# KiCad board Latest-Full-Backplane.kicad_pcb (continued)
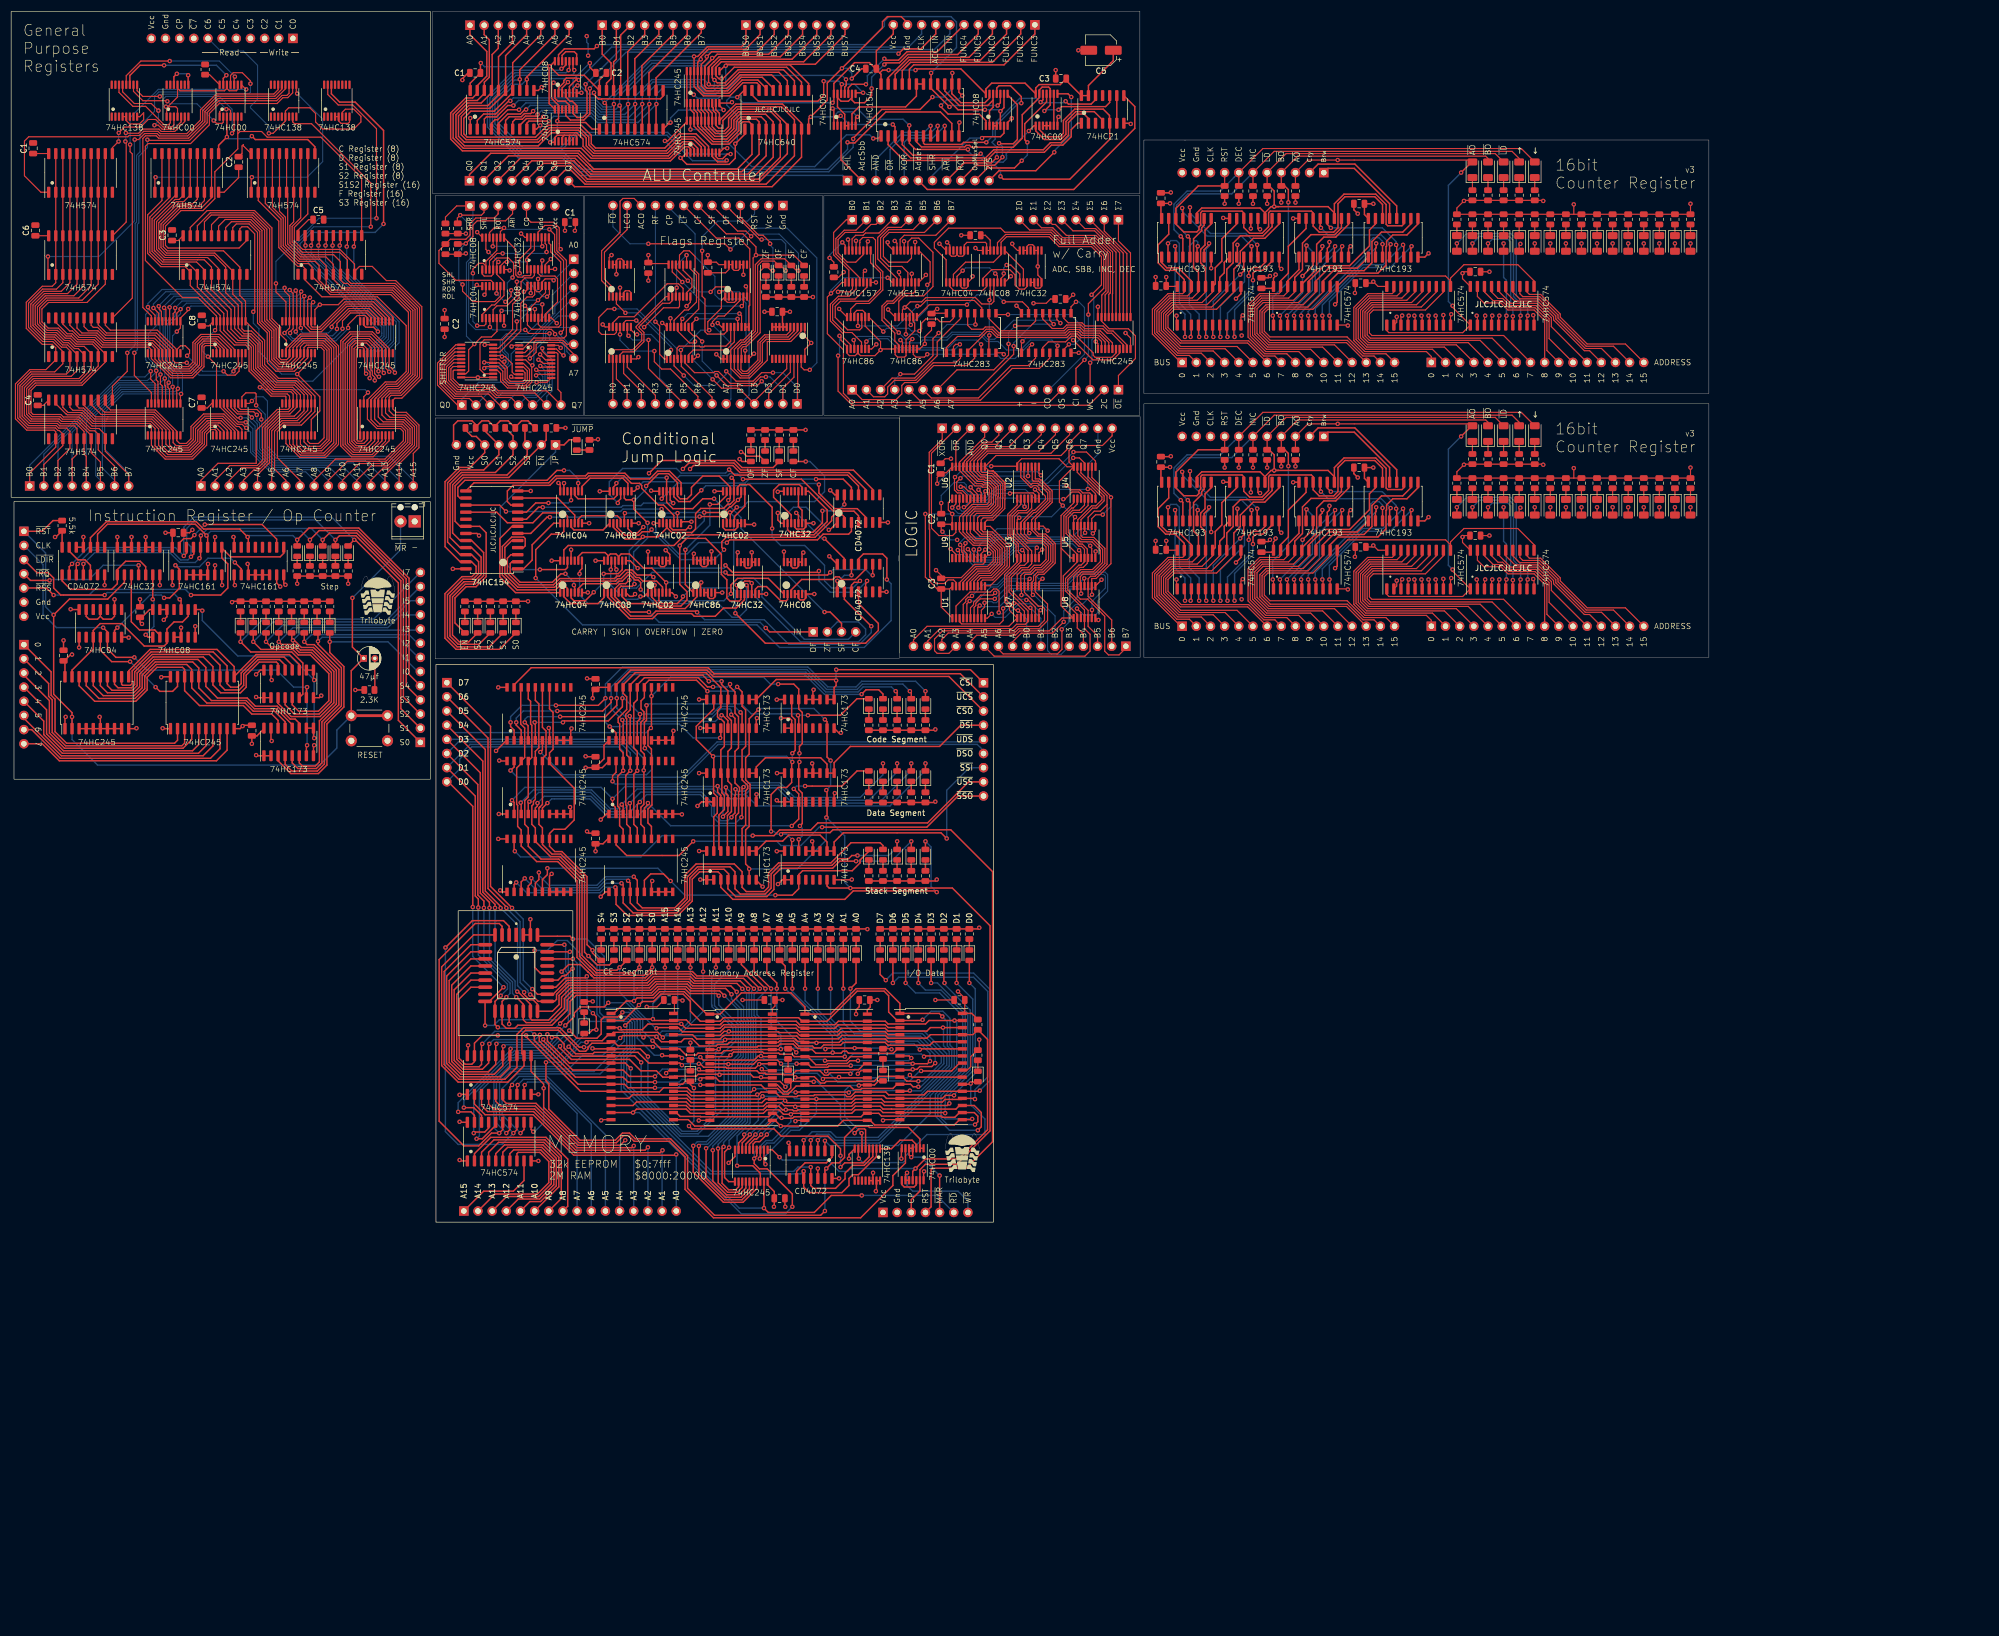
[diagram p0: board, top side]
## Routing (per net, layer and track width the routed paths; a pad name or vN(x,y) marks a point on that pad's centre or on a via; arc(x,y) is an arc through that point) (continued)
/!ARITHMETIC: length 23.3
  Top w0.2: v1(82.83,170.15) 82.83,170.92 83.85,171.93 84.69,171.93 85.16,171.46 U1#5.2 85.16,172.28 87.11,174.23 U1#5.10 ; U2#3.2 85.16,161.05 84.86,160.76 v1(83.59,160.76)
  Bottom w0.2: v1(83.59,160.76) 82.83,161.52 v1(82.83,170.15)
/ADDR0: length 150.6
  Top w0.25: v1(133.27,23.84) 132.77,23.33 U5#3.12 122,23.33 121.24,24.09 117.02,24.09 116.29,23.37 107.7,23.37 107.61,23.46 102.16,23.46 92.38,33.24 v1(92.38,33.49) ; U11.11 82.47,42.13 80.37,40.02 80.37,29.38 81.43,28.31 82.63,28.31 83.11,28.79 83.11,32.09 84.51,33.49 v1(87.3,33.49) ; v1(140.72,23.27) 140.77,23.33 U6#8.12 150.16,23.33 v1(150.26,23.23) ; D33.2 151.56,42.89 v1(150.55,41.87) ; 159.42,23.46 161.09,23.46 v1(161.21,23.58)
  Bottom w0.25: v1(133.27,23.84) 133.35,23.91 135.23,23.91 135.87,23.27 v1(140.72,23.27) ; v1(92.38,33.49) v1(87.3,33.49) ; v1(150.26,23.23) 150.61,23.59 161.21,23.59 v1(161.21,23.58) 161.25,23.55 163.21,23.55 167.82,28.16 167.82,30.19 163.75,34.25 152.32,34.25 150.55,36.03 v1(150.55,41.87)
/ADDR1: length 152.8
  Top w0.25: v1(115.49,24.09) 110.67,24.09 110.03,24.73 U4.11 101.7,24.73 93.85,32.58 v1(93.85,33.63) ; v1(84.51,31.97) 84.38,31.84 U9#4.18 84.38,28.28 83.96,27.86 81.25,27.86 79.92,29.19 79.92,40.84 82.47,43.4 U11.10 ; v1(162.74,24.27) 161.8,24.27 161.34,24.73 U7#8.11 158.92,24.73 158.17,23.98 152.57,23.98 152.37,23.78 151.11,23.78 150.45,24.44 142.54,24.44 U6#8.11 142.19,24.4 140.82,24.4 139.38,22.96 138.47,22.96 137.45,23.98 135.13,23.98 134.51,24.6 U5#3.11 123.64,24.6 v1(123.62,24.62) ; D32.2 v1(149.28,41.87)
  Bottom w0.25: v1(123.62,24.62) 123.38,24.85 120.32,24.85 119.56,24.09 v1(115.49,24.09) ; v1(93.85,33.63) 93.27,34.21 86.75,34.21 v1(84.51,31.97) ; v1(149.28,41.87) 149.28,35.78 151.25,33.8 163.44,33.8 167.31,29.93 167.31,28.41 163.17,24.27 v1(162.74,24.27)
/ADDR2: length 155
  Top w0.25: v1(162.74,25.27) 160.65,25.27 159.92,26 U7#8.10 159.27,26.15 155.7,26.15 154.78,25.23 146.2,25.23 145.91,24.94 145.22,24.94 144.07,26.09 142.6,26.09 U6#8.10 140.77,25.87 v1(140.67,25.97) ; v1(138.89,24.26) 137.93,25.22 127.06,25.22 126.42,25.87 U5#3.10 123.88,25.87 v1(123.62,25.62) ; v1(94.85,33.58) 94.73,33.47 94.73,32.49 101.23,26 U4.10 109.78,26 110.67,25.11 v1(115.49,25.11) ; D31.2 v1(146.99,41.87) ; U11.9 82.47,44.67 79.47,41.66 79.47,29 81.06,27.41 84.53,27.41 85.65,28.54 U9#4.17 85.65,31.84 v1(85.78,31.97)
  Bottom w0.25: v1(115.49,25.11) 119.81,25.11 120.32,25.62 v1(123.62,25.62) ; v1(138.89,24.26) 140.6,25.97 v1(140.67,25.97) ; v1(162.74,25.27) 163.54,25.27 166.86,28.6 166.86,29.62 163.13,33.35 150.18,33.35 146.99,36.54 v1(146.99,41.87) ; v1(94.85,33.58) 94,32.73 86.54,32.73 v1(85.78,31.97)
/ADDR3: length 155.7
  Top w0.25: v1(87.05,31.97) 86.92,31.84 U9#4.16 86.92,28.28 85.6,26.96 80.87,26.96 79.02,28.82 79.02,42.48 82.47,45.94 U11.8 ; v1(115.49,26.12) 110.91,26.12 109.76,27.28 U4.9 100.73,27.28 95.46,32.55 v1(95.46,32.79) ; U7#8.9 161.6,27.28 v1(161.72,27.39) 162.48,27.39 162.99,27.9 165.14,27.9 v1(165.76,28.52) ; v1(123.37,27.39) 123.61,27.15 U5#3.9 133.77,27.15 134.21,26.71 135.2,26.71 135.42,26.49 138.61,26.49 138.68,26.42 140.1,26.42 140.83,27.15 U6#8.9 145.07,27.15 145.88,26.33 146.49,26.33 146.96,26.8 150.35,26.8 v1(150.55,26.61) ; D30.2 v1(144.7,41.87)
  Bottom w0.25: v1(150.55,26.61) 151.33,27.39 v1(161.72,27.39) ; v1(144.7,41.87) 144.7,38.06 149.86,32.9 162.82,32.9 165.76,29.96 v1(165.76,28.52) ; v1(123.37,27.39) 117.85,27.39 117.79,27.45 116.82,27.45 v1(115.49,26.12) ; v1(95.46,32.79) 94.93,32.26 87.34,32.26 v1(87.05,31.97)
/ADDR4: length 178.6
  Top w0.25: v1(138.1,28.41) 137.45,29.06 133.9,29.06 133.17,28.33 v1(128.66,28.33) 128.59,28.4 U5#3.8 ; v1(164.82,28.88) 164.36,28.41 v1(161.72,28.41) 161.6,28.53 U7#8.8 ; U11.7 82.47,47.21 78.57,43.3 78.57,28.63 80.69,26.52 86.68,26.52 88.19,28.03 U9#4.15 88.19,31.41 v1(88.32,31.53) ; v1(140.89,28.41) 140.9,28.4 U6#8.8 142.88,28.4 143.5,27.78 146.47,27.78 146.69,28 150.53,28 v1(150.61,28.07) ; v1(96.18,33.69) 96.18,32.48 100.14,28.53 U4.8 110.18,28.53 v1(111.14,27.56) ; D29.2 v1(142.42,41.87)
  Bottom w0.25: v1(150.61,28.07) 150.65,28.12 161.43,28.12 v1(161.72,28.41) ; v1(140.89,28.41) v1(138.1,28.41) ; v1(128.66,28.33) 128.66,18.99 125.07,15.4 120,15.4 111.12,24.28 111.12,27.54 v1(111.14,27.56) ; v1(88.32,31.53) 88.59,31.81 95.65,31.81 96.22,32.38 96.22,33.65 v1(96.18,33.69) ; v1(142.42,41.87) 142.42,39.71 149.68,32.45 162.63,32.45 164.82,30.26 v1(164.82,28.88)
/ADDR5: length 171.4
  Top w0.25: v1(149.53,29.68) U6#8.7 ; U6#8.7 142.88,29.68 144.33,28.23 146.29,28.23 146.5,28.45 149.96,28.45 150.47,28.96 v1(151.91,28.96) ; U6#8.7 140.49,29.68 140.06,30.11 137.88,30.11 137.69,30.3 135,30.3 134.81,30.5 134.2,30.5 129.59,30.5 v1(129.03,29.95) 128.77,29.68 U5#3.7 ; U11.6 82.47,48.48 78.12,44.13 78.12,28.44 80.5,26.07 87.75,26.07 89.46,27.78 U9#4.14 89.46,30.95 v1(89.59,31.08) ; v1(113.01,28.65) 111.85,29.81 U4.7 107.55,29.75 100.69,29.75 99.19,31.25 99.19,31.95 98.02,33.12 v1(97,33.12) ; v1(161.47,29.43) 161.09,29.81 U7#8.7 ; D28.2 v1(140.13,41.87)
  Bottom w0.25: v1(129.03,29.95) 127.88,28.8 127.88,20.48 123.25,15.85 120.18,15.85 113.01,23.02 v1(113.01,28.65) ; v1(161.47,29.43) 161,28.96 v1(151.91,28.96) ; v1(89.59,31.08) 89.86,31.36 95.84,31.36 96.67,32.2 97,32.53 v1(97,33.12) ; v1(140.13,41.87) 140.13,41.36 149.53,31.96 v1(149.53,29.68)
/ADDR6: length 164.4
  Top w0.25: U5#3.6 126.84,30.95 v1(126.92,31.03) 127.3,31.4 133.83,31.4 134,31.57 137.59,31.57 137.95,31.94 140.28,31.94 140.7,31.52 140.71,31.52 141.1,31.12 142.21,31.12 U6#8.6 143.69,30.95 144.33,30.3 148.88,30.3 149.23,30.66 149.83,30.66 150.18,30.3 155.66,30.3 155.7,30.26 158.2,30.26 159.02,31.08 159.42,31.08 ; D27.2 138.86,45.91 v1(138.86,41.87) ; U11.5 82.47,49.75 77.67,44.95 77.67,28.26 80.32,25.62 88.57,25.62 90.73,27.78 U9#4.13 90.73,33.68 91.92,34.86 98.25,34.86 98.27,34.85 98.44,34.85 101.91,31.37 v1(102.75,31.37) ; v1(114.23,29.68) 112.84,31.08 104.36,31.08 v1(104.29,31.15)
  Bottom w0.25: v1(126.92,31.03) 126.35,30.45 126.35,19.58 123.06,16.3 120.37,16.3 114.23,22.44 v1(114.23,29.68) ; v1(147.37,30.4) 147.3,30.47 147.3,33.43 v1(138.86,41.87) ; v1(104.29,31.15) 104.07,31.37 v1(102.75,31.37)
/ADDR7: length 148.3
  Top w0.25: v1(115.11,31.42) 114.87,31.66 108.8,31.66 108.11,32.35 U4.5 107.34,32.08 104.18,32.08 103.47,31.37 103.47,31.07 103.05,30.65 101.94,30.65 98.19,34.4 98.08,34.4 98.06,34.41 92.28,34.41 91.62,33.75 91.62,30.22 U9#4.12 92,28.03 89.08,25.11 80.19,25.11 77.22,28.07 77.22,45.77 82.97,51.51 U11.4 ; U7#8.5 157.3,32.35 156.8,32.84 149.14,32.84 148.51,32.22 U6#8.5 142.19,32.42 141.07,32.42 140.81,32.68 140.81,32.69 140.57,32.92 137.66,32.92 137.58,32.84 128.23,32.84 v1(128.07,32.69) 127.68,32.3 125.42,32.3 U5#3.5 ; v1(137.34,41.87) 137.34,42.89 135.56,44.67 D26.2
  Bottom w0.25: v1(144.45,32.14) 141.23,32.14 137.34,36.03 v1(137.34,41.87) ; v1(128.07,32.69) 126,32.69 124.73,31.42 v1(115.11,31.42)
/ADDR8: length 149.7
  Top w0.25: v1(136.32,41.87) 133.27,44.92 D25.2 ; v1(138.07,31.03) 137.99,30.95 U5#3.27 136.54,30.95 134.02,30.95 129.4,30.95 129.2,30.75 127.87,30.75 127.42,30.3 123.22,30.3 122.9,29.98 121.04,29.98 119.94,31.08 116.5,31.08 v1(115.05,32.53) ; v1(107.11,39.33) 106.38,38.6 102.11,38.6 101.02,37.51 101.02,36.88 v1(99.42,35.28) ; 170.62,31.08 163.12,31.08 v1(162.99,30.95) ; 83.11,17.9 83.11,19.14 82.47,19.77 v1(80.19,19.77) ; U6#8.27 153.33,31.2 v1(151.31,31.2) 146.23,31.2 v1(146.05,31.03) ; v1(99.24,49.75) U11.29
  Bottom w0.25: v1(151.31,31.2) 157.02,31.2 157.79,31.97 161.98,31.97 v1(162.99,30.95) ; v1(146.05,31.03) 145.88,31.2 138.35,31.2 138.18,31.03 v1(138.07,31.03) 138.07,33.52 136.32,35.27 v1(136.32,41.87) ; v1(107.11,39.33) 110.37,39.33 113.29,36.42 113.29,34.29 v1(115.05,32.53) ; v1(99.24,49.75) 99.45,49.53 99.45,45.02 99.94,44.53 99.94,35.8 v1(99.42,35.28) 97.9,33.77 97.9,32.79 95.89,30.77 90.3,30.77 89.89,30.36 89.12,30.36 80.19,21.43 v1(80.19,19.77)
/ADDR9: length 160.2
  Top w0.25: v1(109.65,37.62) 108.82,36.78 106.34,36.78 105.84,36.28 105.84,33.74 105.08,32.98 101.48,32.98 v1(100.12,34.35) ; U6#8.26 150.55,29.68 149.83,28.96 v1(145.99,28.96) ; v1(116.76,29.93) 116.89,29.81 U4.26 119.94,29.81 v1(120.32,29.43) ; v1(163.75,29.68) 163.88,29.81 U7#8.26 ; U11.28 v1(100.22,48.48) ; v1(81.2,20.54) 82.98,20.54 84.38,19.14 U10#3.18 ; v1(135.3,41.87) 130.99,46.18 D24.2 ; v1(123.62,29.58) 124.15,29.06 133.26,29.06 133.98,29.78 v1(134.5,29.78) 134.6,29.68 U5#3.26
  Bottom w0.25: v1(100.22,48.48) 99.94,48.2 99.94,45.17 100.39,44.72 100.39,34.62 v1(100.12,34.35) 100.12,34.33 96.12,30.33 90.49,30.33 90.08,29.91 89.3,29.91 81.2,21.81 v1(81.2,20.54) ; v1(109.65,37.62) 110.81,37.62 112.3,36.13 112.3,33 115.37,29.93 v1(116.76,29.93) ; v1(135.3,41.87) 135.3,41.36 133.78,39.84 133.78,37.18 134.5,36.46 v1(134.5,29.78) 135.11,29.17 145.77,29.17 v1(145.99,28.96) 149.83,28.96 151.03,30.15 163.28,30.15 v1(163.75,29.68) ; v1(123.62,29.58) 123.43,29.39 120.35,29.39 v1(120.32,29.43)
/ADDR10: length 158.4
  Top w0.25: U5#3.23 134.63,25.87 v1(134.51,25.99) 133.16,25.99 132.63,26.53 123.25,26.53 122.9,26.17 118.98,26.17 U4.23 116.89,26 115.75,27.14 112.95,27.14 110.92,29.17 100.51,29.17 98.46,31.22 v1(98.46,31.56) ; v1(82.98,15.96) 83.18,16.16 84.95,16.16 85.65,16.86 U10#3.17 ; U6#8.23 145.82,25.87 v1(145.61,25.66) ; U7#8.23 161.6,26 v1(161.22,26.38) ; D23.2 v1(128.7,45.68) ; v1(100.7,45.43) 99.52,44.26 99.34,44.26 99.24,44.16 98.85,44.16 98.09,43.4 U11.24
  Bottom w0.25: v1(127.07,26.43) 126.92,26.57 126.92,29.43 129.97,32.47 129.97,35.01 126.16,38.82 126.16,42.63 128.7,45.17 v1(128.7,45.68) ; v1(161.22,26.38) 160.71,25.87 148.64,25.87 v1(148.5,26.01) ; v1(134.51,25.99) 135.21,26.69 144.58,26.69 v1(145.61,25.66) ; v1(100.7,45.43) 100.84,45.29 100.84,33.94 v1(98.46,31.56) 96.78,29.88 90.68,29.88 90.26,29.46 89.49,29.46 82.98,22.95 v1(82.98,15.96)
/ADDR11: length 165.1
  Top w0.25: v1(120.32,28.16) 119.95,28.53 U4.25 114.36,28.53 112.45,30.44 104.6,30.44 104.36,30.2 101.26,30.2 v1(100,31.46) ; v1(123.37,28.39) 123.6,28.39 124.22,27.78 128.19,27.78 128.36,27.61 133.47,27.61 v1(134.2,28.33) 134.26,28.4 U5#3.25 ; D22#2.2 v1(126.42,45.68) ; U11.27 v1(100.76,47.21) ; v1(146.19,27.06) 146.46,27.33 152.01,27.33 153.08,28.4 U6#8.25 ; v1(83.49,14.95) 84.5,14.95 86.92,17.36 U10#3.16 ; U7#8.25 170.12,28.53 168.71,27.11 v1(163.23,27.11)
  Bottom w0.25: v1(163.23,27.11) 162.97,27.11 161.19,25.32 152.47,25.32 152.37,25.42 151.77,25.42 151.49,25.15 148.29,25.15 146.37,27.06 v1(146.19,27.06) 145.97,27.27 135.84,27.27 134.78,28.33 v1(134.2,28.33) ; v1(100.76,47.21) 101.57,46.4 101.57,33.15 97.84,29.43 90.86,29.43 90.45,29.01 89.68,29.01 84,23.33 84,15.46 v1(83.49,14.95) ; v1(126.42,45.68) 126.42,44.67 125.65,43.9 125.65,38.95 125.71,38.89 125.71,38.64 129.46,34.89 129.46,32.73 128.7,31.97 125.91,31.97 124.89,30.95 124.89,29.43 123.86,28.39 v1(123.37,28.39) 123.35,28.41 120.57,28.41 v1(120.32,28.16)
/ADDR12: length 170.5
  Top w0.25: U11.3 88.06,53.05 87.55,53.56 83.24,53.56 76.77,47.09 76.77,18.11 81.2,13.68 83.87,13.68 86.16,15.96 v1(87.55,15.96) 88.19,16.6 U10#3.15 ; D21#3.2 v1(124.13,44.92) ; 159.42,33.62 157.3,33.62 156.79,34.14 148.91,34.14 148.26,33.49 U6#8.4 141.44,33.49 140.94,34 137.78,34 137.66,34.11 128.84,34.11 v1(128.74,34.21) 127.9,34.21 127.18,33.49 U5#3.4 ; v1(116.9,33.11) 115.98,34.04 108.03,34.04 107.61,33.62 107.11,33.62 106.02,32.53 103.49,32.53 v1(103.21,32.26)
  Bottom w0.25: v1(87.55,15.96) 86.6,16.92 86.6,25.3 89.22,27.92 98.39,27.92 101.39,30.92 101.39,31.42 102.22,32.26 v1(103.21,32.26) ; v1(128.74,34.21) 127.94,33.42 117.21,33.42 v1(116.9,33.11) 117.53,33.74 120.07,33.74 124.13,37.81 v1(124.13,44.92)
/ADDR13: length 153.5
  Top w0.25: U7#8.28 165.41,32.35 164.78,31.72 157.29,31.72 156.79,32.22 U6#8.28 149.28,32.22 148.83,31.77 145.77,31.77 145.24,31.24 144.07,31.24 143.74,31.57 141.29,31.57 140.89,31.97 140.89,31.97 140.38,32.47 137.85,32.47 137.59,32.22 U5#3.28 128.8,32.22 128.43,31.85 126.72,31.85 126.47,31.6 123.45,31.6 122.14,32.91 120.75,32.91 120.19,32.35 U4.28 116.65,32.35 115.54,33.45 109.68,33.45 v1(109.26,33.03) ; v1(88.82,15.96) 89.46,16.6 U10#3.14 ; U11.30 94.65,51.27 100.25,51.27 v1(100.76,50.76) ; D20.2 v1(121.84,45.66)
  Bottom w0.25: v1(121.84,45.66) 121.84,36.16 119.94,34.25 116.76,34.25 v1(115.75,33.24) ; v1(88.82,15.96) 87.05,17.74 87.05,25.11 89.41,27.47 100.02,27.47 102.48,29.93 106.16,29.93 v1(109.26,33.03) ; v1(113.42,33.13) 112.84,33.72 112.84,36.23 110.73,38.34 106.82,38.34 106.39,38.78 106.39,47.69 103.31,50.76 v1(100.76,50.76)
/ADDR14: length 168.2
  Top w0.25: U4.3 109.02,34.89 v1(109.14,34.76) 109.4,34.51 113.21,34.51 114.22,35.52 120.18,35.52 v1(120.2,35.54) 120.99,34.76 U5#3.3 127.18,34.76 127.55,35.13 127.55,35.13 127.82,35.41 140.8,35.41 141.31,34.9 142.24,34.9 U6#8.3 147.75,34.76 148.38,35.38 156.81,35.38 157.31,34.89 U7#8.3 ; v1(90.09,15.96) 90.73,16.6 U10#3.13 ; U11.2 89.33,53.05 88.32,54.06 82.73,54.06 v1(77.9,49.24) ; D19.2 v1(119.56,45.66)
  Bottom w0.25: v1(109.14,34.76) 109.14,34.71 109.98,33.87 109.98,32.45 104.56,27.02 89.6,27.02 87.61,25.04 87.61,18.45 v1(90.09,15.96) 88.06,13.93 80.19,13.93 77.9,16.22 v1(77.9,49.24) ; v1(119.56,45.66) 119.56,36.19 v1(120.2,35.54)
/ADDR15: length 157.4
  Top w0.25: v1(117.27,45.66) 117.28,45.67 D18#3.2 ; U2#2.2 v1(145.97,14.59) ; v1(91.36,15.96) 92,16.6 U10#3.12 ; U7#8.31 v1(169.22,36.16) 164.64,36.16 164.02,35.53 157.3,35.53 156.8,36.03 U6#8.31 148.39,36.03 147.76,35.41 141.44,35.41 140.81,36.03 U5#3.31 127.81,36.03 127.36,35.58 127.36,35.58 127.19,35.41 121.97,35.41 121.11,36.27 118.92,36.27 U4.31 115.37,36.16 v1(115.12,36.41) 111.3,36.41 v1(110.16,35.27)
  Bottom w0.25: v1(115.12,36.41) 115.12,39.21 117.27,41.36 v1(117.27,45.66) ; v1(110.16,35.27) 110.43,35 110.43,31.35 105.65,26.57 90.67,26.57 88.06,23.97 88.06,19.27 v1(91.36,15.96) ; v1(169.22,36.16) 169.62,35.76 169.62,27.41 164.85,22.64 164.85,19.47 159.12,13.74 146.83,13.74 v1(145.97,14.59)
/ARITHMETIC_AND_A7: length 12.2
  Top w0.2: v1(88.93,172.19) 88.48,172.19 87.76,171.46 U1#5.6 ; U4#7.1 92.56,173.02 93.86,174.32 U4#7.12
  Bottom w0.2: v1(88.93,172.19) 92.23,172.19 v1(92.56,172.51)
/Data Segments/Code Segment/S0: length 119.2
  Top w0.25: v1(107.37,88.86) 108.51,87.72 U19.2 ; v1(164.01,95.21) D44.2 ; v1(127.18,86.83) 127.3,86.96 U16#2.3 ; U18.2 90.22,88.23 89.59,88.86 v1(89.59,89.62) ; v1(97.71,92.67) 105.33,92.67 v1(106.6,93.94)
  Bottom w0.25: v1(164.01,95.21) 162.23,96.99 152.58,96.99 151.56,95.97 146.48,95.97 142.93,99.53 109.65,99.53 106.6,96.48 106.6,89.62 v1(107.37,88.86) 109.47,88.86 109.94,89.33 119.85,89.33 122.35,86.83 v1(127.18,86.83) ; v1(89.59,89.62) 89.59,90.64 91.62,92.67 v1(97.71,92.67)
/Data Segments/Code Segment/S1: length 113.8
  Top w0.25: D43.2 161.47,94.96 v1(161.21,95.21) ; v1(97.97,91.66) 106.1,91.66 107.62,93.18 v1(107.62,93.94) ; v1(90.6,89.62) 90.6,89.12 91.49,88.23 91.49,86.4 ; U16#2.4 128.57,89.94 127.62,90.89 v1(127.43,90.89) ; v1(109.63,90.04) 109.78,89.89 U19.3
  Bottom w0.25: v1(97.97,91.66) 91.87,91.66 90.6,90.39 v1(90.6,89.62) ; v1(161.21,95.21) 159.94,96.48 152.71,96.48 151.75,95.52 146.3,95.52 142.74,99.08 110.73,99.08 107.62,95.98 107.62,92.05 v1(109.63,90.04) 109.89,89.78 126.32,89.78 v1(127.43,90.89)
/Data Segments/Code Segment/S2: length 111.6
  Top w0.25: v1(92.13,89.62) 92.73,89.02 92.73,86.43 U18.4 ; 129.84,88.57 129.84,90.33 v1(129.17,91) ; D42.2 158.93,94.96 v1(158.67,95.21) ; v1(108.64,93.94) 108.64,92.67 106.6,90.64 v1(98.48,90.64) ; v1(110.96,90.74) 111.05,90.65 U19.4
  Bottom w0.25: v1(98.48,90.64) 92.63,90.64 92.13,90.13 v1(92.13,89.62) ; v1(129.17,91) 129.17,91.78 128.92,92.03 127.29,92.03 125.62,90.36 111.34,90.36 v1(110.96,90.74) 110.06,90.74 108.64,92.16 108.64,96.36 110.91,98.63 142.55,98.63 146.11,95.07 151.93,95.07 152.83,95.97 157.91,95.97 v1(158.67,95.21)
/Data Segments/Code Segment/S3: length 105.9
  Top w0.25: v1(98.98,89.62) 99.24,89.88 107.11,89.88 109.65,92.41 v1(109.65,93.94) ; v1(152.56,94.67) 153.35,95.47 155.63,95.47 156.39,94.7 D41.2 ; U19.5 112.32,89.75 112.8,90.23 v1(112.8,91.09) ; v1(130.84,91.41) 131.11,91.13 U16#2.6 ; U18.5 94.03,89.5 v1(93.9,89.62)
  Bottom w0.25: v1(130.84,91.41) 129.77,92.48 127.1,92.48 125.72,91.09 v1(112.8,91.09) 109.65,94.24 109.65,96.74 111.1,98.18 142.37,98.18 145.92,94.63 152.51,94.63 v1(152.56,94.67) ; v1(98.98,89.62) v1(93.9,89.62)
/Data Segments/Code Segment/S4: length 81
  Top w0.25: v1(113.68,84.99) 113.59,85.08 U19.6 113.59,89.62 113.97,90 v1(113.97,92.67) ; U17.3 141.27,90.77 v1(141.15,90.89) ; D40.2 151.74,93.86 148.77,90.89 v1(142.93,90.89) ; v1(94.92,84.29) 95.3,84.67 U18.6
  Bottom w0.25: v1(94.92,84.29) 98.98,80.23 113.97,80.23 114.99,81.24 114.99,83.68 v1(113.68,84.99) ; v1(142.93,90.89) v1(141.15,90.89) 140.89,91.15 132.77,91.15 130.99,92.93 114.22,92.93 v1(113.97,92.67)
/Data Segments/Data Segment/S0: length 92.7
  Top w0.25: D39.2 v1(164.01,82.26) ; v1(126.72,78.19) 126.72,77.12 127.3,76.54 U12#3.3 ; U14#2.2 90.22,75.27 v1(89.84,75.65) ; v1(107.87,75.91) 107.87,74.89 108.38,74.38 108.38,73.32 U15#2.2
  Bottom w0.25: v1(89.84,75.65) 92.15,77.96 105.82,77.96 v1(107.87,75.91) 110.08,78.12 126.65,78.12 v1(126.72,78.19) 126.72,78.14 128.96,75.91 131.5,75.91 131.98,76.39 132.05,76.39 133.8,74.64 157.66,74.64 164.01,80.99 v1(164.01,82.26)
/Data Segments/Data Segment/S1: length 94.3
  Top w0.25: v1(109.52,74.89) 109.78,74.63 U15#2.3 ; v1(127.69,72.71) 127.69,72.75 128.57,73.63 U12#3.4 128.57,76.54 128.39,76.72 128.39,76.73 128.21,76.91 v1(128.21,77.96) ; 91.49,73.19 91.49,75.13 v1(91.4,75.22) ; D38.2 v1(161.47,82.26)
  Bottom w0.25: v1(161.47,82.26) 161.47,80.99 155.63,75.15 140.13,75.15 137.4,77.88 132.73,77.88 132.55,77.71 132.55,77.53 131.87,76.84 131.71,76.84 131.69,76.82 131.67,76.82 131.67,76.82 131.65,76.82 131.5,76.67 129.5,76.67 v1(128.21,77.96) ; v1(127.69,72.71) 127.69,75.9 125.93,77.67 112.3,77.67 v1(109.52,74.89) 108.76,74.13 107.5,74.13 104.11,77.51 93.69,77.51 v1(91.4,75.22)
/Data Segments/Data Segment/S2: length 88.5
  Top w0.25: v1(129.21,72.61) 129.21,72.74 129.84,73.38 129.84,76.54 129.93,76.63 v1(129.93,77.63) ; U15#2.4 111.05,75.05 v1(110.97,75.13) ; v1(92.96,75.4) 92.76,75.2 U14#2.4 ; D37.2 v1(158.93,82.26)
  Bottom w0.25: v1(129.93,77.63) 130.3,77.27 131.48,77.27 131.48,77.27 131.51,77.27 131.53,77.29 131.68,77.29 132.1,77.71 132.1,77.89 132.54,78.33 137.71,78.33 140.39,75.65 153.85,75.65 158.93,80.73 v1(158.93,82.26) ; v1(92.96,75.4) 94.62,77.06 103.93,77.06 107.37,73.62 109.47,73.62 v1(110.97,75.13) 112.96,77.12 123.81,77.12 126.1,74.82 126.1,73.17 127.29,71.98 128.59,71.98 v1(129.21,72.61)
/Data Segments/Data Segment/S3: length 85.2
  Top w0.25: U14#2.5 94.03,74.25 94.41,74.64 v1(94.41,75.15) ; v1(131.38,78.01) 131.11,77.75 U12#3.6 131.11,72.73 v1(130.99,72.61) ; U15#2.5 112.32,74.88 v1(112.77,75.33) ; D36.2 v1(156.39,82.26)
  Bottom w0.25: v1(94.41,75.15) 95.62,76.36 104,76.36 107.24,73.11 110.67,73.11 111.18,73.62 111.18,73.74 v1(112.77,75.33) 112.77,75.47 113.97,76.67 123.62,76.67 125.65,74.64 125.65,72.86 126.98,71.53 129.91,71.53 v1(130.99,72.61) ; v1(156.39,82.26) 156.39,80.23 152.32,76.16 140.51,76.16 137.9,78.78 132.14,78.78 v1(131.38,78.01)
/Data Segments/Data Segment/S4: length 75.4
  Top w0.25: v1(114.22,75.15) 114.22,74.89 113.59,74.25 U15#2.6 ; D35.2 151.74,80.91 149.02,78.19 v1(142.42,78.19) ; v1(96.19,75.15) 95.3,74.26 U14#2.6 ; v1(140.03,71.04) 141.27,72.29 U13.3 141.27,76.8 v1(140.39,77.69)
  Bottom w0.25: v1(96.19,75.15) 96.95,75.91 103.81,75.91 107.11,72.61 112.19,72.61 114.22,74.64 v1(114.22,75.15) 118.29,71.08 139.99,71.08 v1(140.03,71.04) ; v1(142.42,78.19) 140.89,78.19 v1(140.39,77.69)
/Data Segments/Stack Segment/S0: length 103.3
  Top w0.25: v1(108.38,60.04) 108.51,59.91 U23.2 108.51,56.99 110.49,55 119.61,55 122.18,57.57 122.18,61.51 123.49,62.82 126.81,62.82 127.3,62.32 U20.3 127.3,60.03 129.46,57.87 149.54,57.87 151.06,59.4 165.82,59.4 v1(166.04,59.18) ; U22.2 90.22,60.54 v1(90.6,60.92) ; v1(164.01,68.29) D49.2
  Bottom w0.25: v1(108.38,60.04) 106.61,60.04 105.64,59.07 92.46,59.07 v1(90.6,60.92) ; v1(164.01,68.29) 165.02,67.27 165.02,60.2 v1(166.04,59.18)
/Data Segments/Stack Segment/S1: length 93.9
  Top w0.25: v1(151.56,64.73) 148.63,64.73 147.36,63.46 138.1,63.46 136.83,62.19 136.83,59.65 135.56,58.38 129.97,58.38 128.57,59.78 U20.4 128.7,61.52 128.7,62.45 127.88,63.27 123.3,63.27 121.73,61.69 121.73,57.76 119.42,55.45 111.57,55.45 109.78,57.24 U23.3 109.78,60.46 v1(109.48,60.76) ; 91.49,59.22 91.49,61.01 v1(92.13,61.65) ; D48.2 v1(161.47,68.29)
  Bottom w0.25: v1(92.13,61.65) 94.26,59.51 105.45,59.51 106.7,60.76 v1(109.48,60.76) ; v1(161.47,68.29) 157.91,64.73 v1(151.56,64.73)
/Data Segments/Stack Segment/S2: length 90.9
  Top w0.25: v1(110.67,61.21) 111.05,60.83 U23.4 111.05,57.24 112.39,55.9 119.24,55.9 121.28,57.94 121.28,61.88 123.11,63.72 128.96,63.72 129.84,62.83 129.84,59.78 130.79,58.83 135.25,58.83 136.32,59.91 136.32,62.45 137.85,63.97 147.23,63.97 148.44,65.18 150.23,65.18 150.8,65.75 v1(151.82,65.75) ; v1(93.31,61.68) 93.31,60.83 92.76,60.29 U22.4 ; v1(158.93,68.29) D47.2
  Bottom w0.25: v1(151.82,65.75) 157.4,65.75 158.93,67.27 v1(158.93,68.29) ; v1(93.31,61.68) 95.03,59.96 105.27,59.96 106.79,61.49 110.39,61.49 v1(110.67,61.21)
/Data Segments/Stack Segment/S3: length 87.4
  Top w0.25: D46.2 156.39,67.53 155.88,68.03 150.66,68.03 147.05,64.42 137.66,64.42 135.87,62.63 135.87,60.09 135.06,59.28 131.87,59.28 131.11,60.03 U20.6 131.11,62.83 129.72,64.22 122.86,64.22 120.83,62.19 120.83,58.13 119.05,56.35 113.21,56.35 112.32,57.24 U23.5 112.32,61.3 v1(111.68,61.94) ; v1(94.67,62.7) 94.67,61.43 94.03,60.8 U22.5
  Bottom w0.25: v1(111.68,61.94) 106.6,61.94 105.08,60.41 96.44,60.41 94.67,62.19 v1(94.67,62.7)
/Data Segments/Stack Segment/S4: length 77.4
  Top w0.25: v1(96.19,63.46) 96.19,62.32 95.3,61.43 U22.6 ; v1(118.29,61.18) 117.02,62.45 114.73,62.45 113.59,61.3 U23.6 ; v1(137.08,58.64) 140.13,58.64 141.27,59.78 U21#2.3 141.27,62.32 141.97,63.01 150.87,63.01 152.29,64.43 152.29,64.94 153.85,66.5 D45.2
  Bottom w0.25: v1(137.08,58.64) 120.83,58.64 v1(118.29,61.18) 116,63.46 v1(96.19,63.46)
/INST_BUS_0: length 49.9
  Top w0.25: U6#10.18 12.19,96.19 14.99,93.4 22.35,93.4 24.4,95.45 24.4,97.73 26.16,99.49 30.73,99.49 31.11,99.11 31.11,95.3 33.78,92.63 41.66,92.63 43.18,91.11 46.74,91.11 47.88,89.97 U8.14
/INST_BUS_1: length 49.4
  Top w0.25: U8.13 49.15,89.71 47.24,91.62 43.43,91.62 41.97,93.08 35.11,93.08 32.38,95.81 U7#9.17 32.38,99.11 31.5,100 26.03,100 23.95,97.92 23.95,95.63 22.22,93.9 15.75,93.9 13.46,96.19 U6#10.17
/INST_BUS_2: length 48.6
  Top w0.25: U6#10.16 14.73,96.19 16.51,94.41 22.1,94.41 23.5,95.82 23.5,98.11 25.85,100.45 32.57,100.45 33.65,99.36 33.65,95.81 35.93,93.53 42.15,93.53 43.62,92.07 47.56,92.07 50.42,89.2
/INST_BUS_3: length 49.2
  Top w0.25: U8.11 51.69,89.46 50.94,90.21 50.05,90.21 47.74,92.52 43.81,92.52 42.34,93.98 37.01,93.98 34.92,96.06 U7#9.15 34.92,99.48 33.51,100.9 25.66,100.9 23.06,98.29 23.06,96.01 21.97,94.92 17.27,94.92 16,96.19 U6#10.15
/INST_BUS_4: length 45.8
  Top w0.25: U6#10.14 17.27,96.19 18.09,95.37 21.78,95.37 22.61,96.19 22.61,98.48 25.48,101.35 34.47,101.35 36.2,99.62 U7#9.14 36.2,96.32 37.59,94.92 41.15,94.92 42.16,95.94 42.16,98.09 44.5,100.43 47.58,100.43 47.88,100.13 U9#2.14
/INST_BUS_5: length 45.5
  Top w0.25: U6#10.13 18.54,96.45 19.18,95.82 21.6,95.82 22.16,96.38 22.16,98.66 25.29,101.8 35.54,101.8 37.46,99.87 U7#9.13 37.46,96.32 38.35,95.43 40.89,95.43 41.71,96.25 41.71,98.28 44.31,100.88 48.14,100.88 49.15,99.87 U9#2.13
/INST_BUS_6: length 45.1
  Top w0.25: U6#10.12 19.81,96.44 19.99,96.27 21.41,96.27 21.71,96.56 21.71,98.85 25.1,102.25 36.23,102.25 38.73,99.75 U7#9.12 38.73,96.57 39.37,95.94 40.64,95.94 41.26,96.56 41.26,98.47 44.13,101.33 48.96,101.33 50.42,99.87 U9#2.12
/INST_BUS_7: length 39.7
  Top w0.25: U9#2.11 51.69,100 49.91,101.78 43.94,101.78 40,97.84 ; U7#9.11 40,99.62 36.93,102.7 24.92,102.7 21.08,98.86 U6#10.11
/RAM Array/D0: length 110.6
  Top w0.25: U6#8.13 150.78,22.06 151.41,22.68 156.53,22.68 157.02,22.19 U7#8.13 167.05,22.19 167.59,22.73 v1(169.14,22.73) ; v1(135.31,10.38) 135.04,10.64 U8#6.2 ; U4.13 110.8,22.19 111.43,22.82 121.21,22.82 121.97,22.06 U5#3.13 134.28,22.06 v1(134.79,22.57) ; v1(171.89,42.89) 171.88,42.9 D13#2.2
  Bottom w0.25: v1(169.14,22.73) 169.14,22.88 172.94,26.68 172.94,41.84 v1(171.89,42.89) ; v1(135.31,10.38) 135.31,11.9 139.88,16.47 141.4,16.47 144.45,19.52 v1(144.45,22.1) 144.41,22.14 140.56,22.14 140.13,22.57 v1(134.79,22.57)
/RAM Array/D1: length 107.1
  Top w0.25: v1(169.6,42.89) D12#4.2 ; U4.14 111.56,20.92 112.19,21.55 121.08,21.55 121.85,20.79 U5#3.14 134.93,20.79 135.56,21.41 138.12,21.41 138.66,20.88 140.45,20.88 v1(140.64,20.69) 140.74,20.79 U6#8.14 150.78,20.79 151.43,21.44 156.12,21.44 156.64,20.92 U7#8.14 167.93,20.92 v1(168.29,21.28) ; U8#6.3 134.39,11.49 v1(134.29,11.39)
  Bottom w0.25: v1(168.29,21.28) 168.29,22.91 172.49,27.1 172.49,40 v1(169.6,42.89) ; v1(140.64,20.69) 141.66,19.67 141.66,17.49 141.15,16.98 139.62,16.98 136.83,14.19 135.56,14.19 134.29,12.92 v1(134.29,11.39)